# Altium PCB ECE453_Custom.PcbDoc (part 1 of 2) (continued)
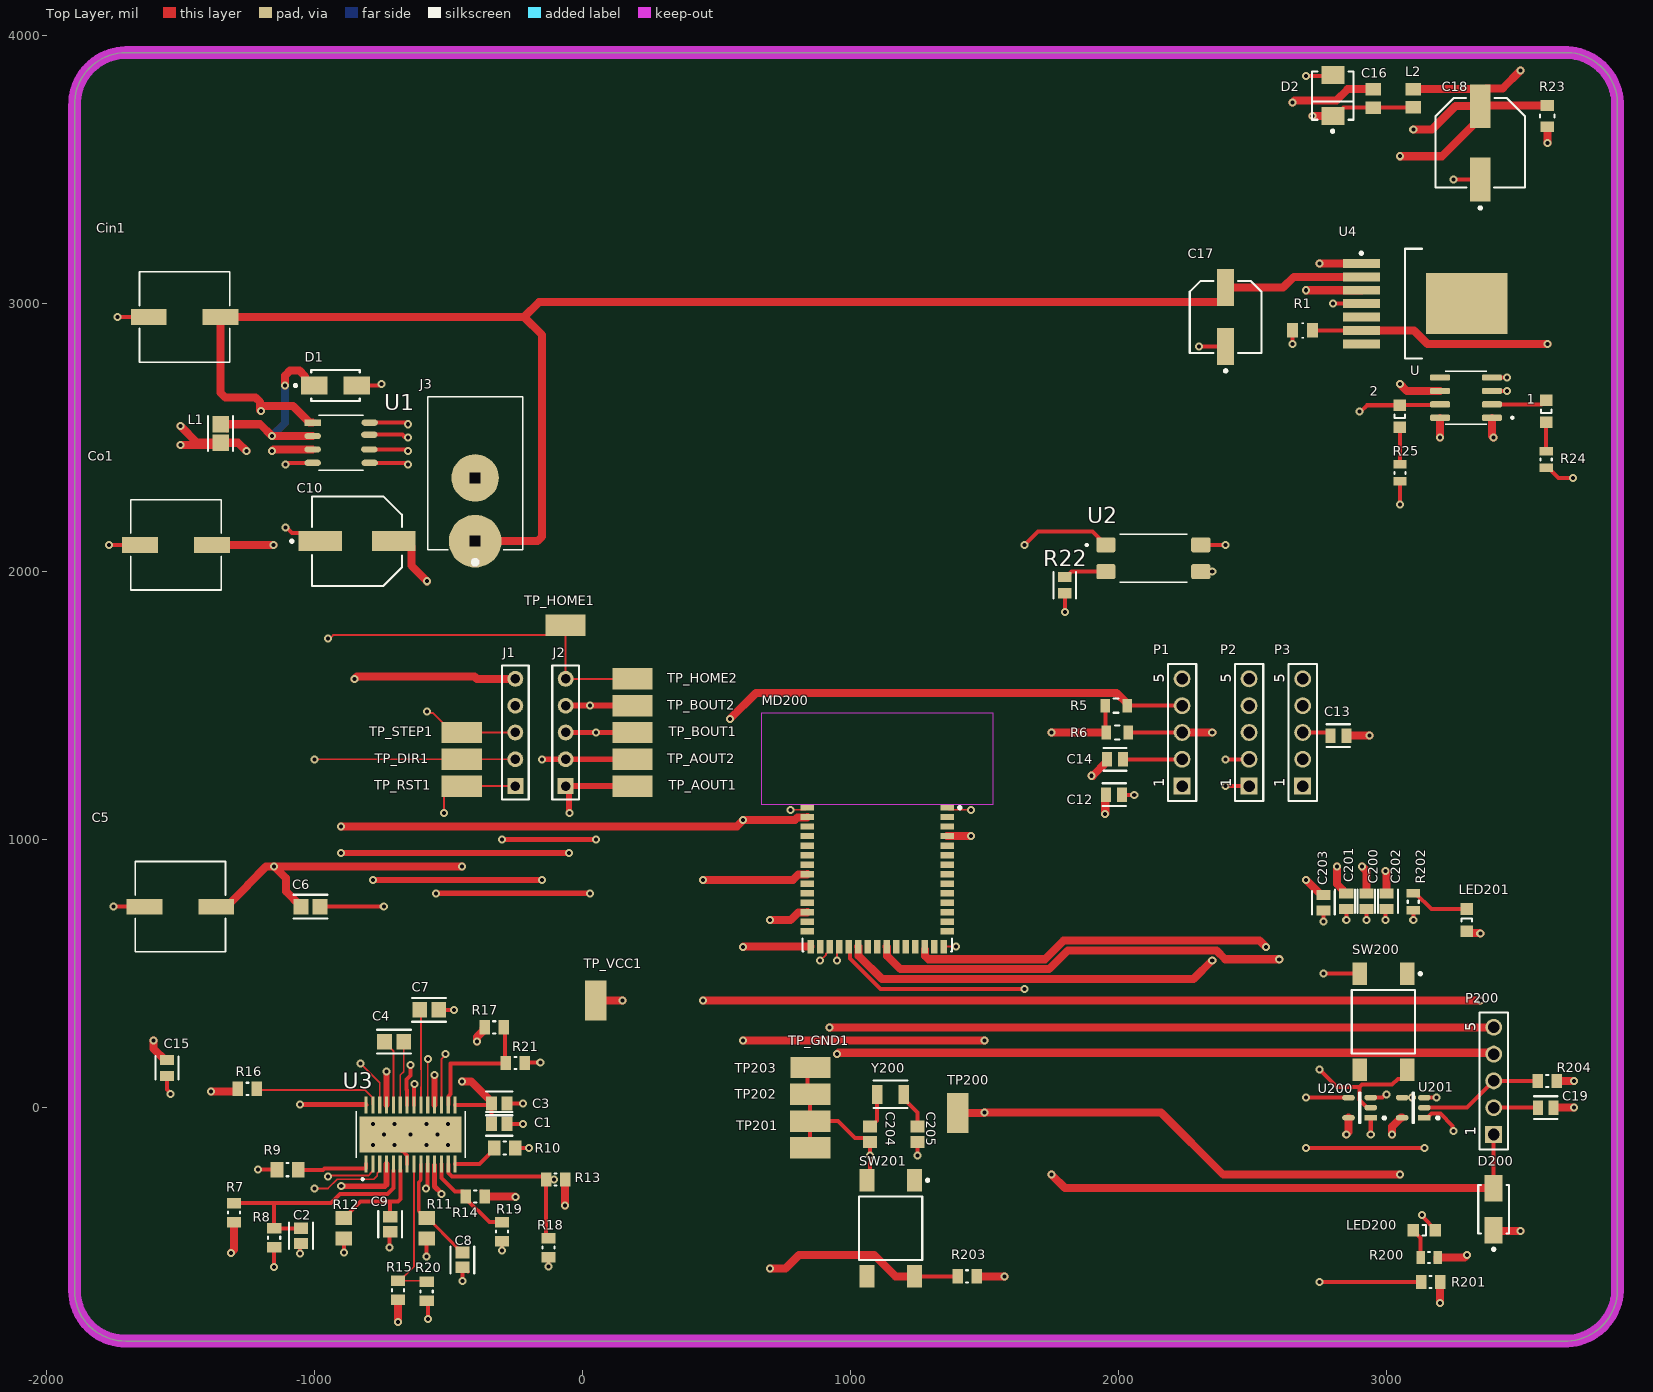
[diagram p0: Top Layer view]
## Design rules (kind name [scope] priority, off if disabled: settings)
BoardOutlineClearance [All] p1: gap=50 ignorepadtopadclearanceinfootprint=FALSE
Clearance [All] p1: gap=7 ignorepadtopadclearanceinfootprint=TRUE
ComponentClearance [InComponent('U3')] p1: gap=0 collisioncheckmode=3 verticalgap=10 showdistances=FALSE
Height [All] p1: minheight=0 maxheight=866.14 prefheight=500
HoleSize [All] p1: absolutevalues=TRUE maxlimit=250 minlimit=10 maxpercent=80.000 minpercent=20.000
MinimumAnnularRing [All] p1: minimumring=3
MinimumSolderMaskSliver [All] p1: minsoldermaskwidth=1
NetAntennae NetAntennae_5.0V [InNet('5.0V')] p1: netantennaetolerance=0
NetAntennae NetAntennae_3.3V [InNet('3.3V')] p2: netantennaetolerance=0
PolygonConnect [IsNamedPolygon('5.0V_L01_P019') or IsNamedPolygon('3.3V_L01_P020') vs IsVia] p1: connectstyle=Relief reliefconductorwidth=10 reliefentries=4 polygonreliefangle="90 Angle" airgapwidth=10
PolygonConnect PolygonConnect_2 [All vs IsVia] p2: connectstyle=Relief reliefconductorwidth=15 reliefentries=4 polygonreliefangle="90 Angle" airgapwidth=10
PolygonConnect PolygonConnect_1 [All] p3: connectstyle=Relief reliefconductorwidth=10 reliefentries=4 polygonreliefangle="90 Angle" airgapwidth=10
RoutingVias [All] p1: holewidth=15 width=30 viastyle="Through Hole" minholewidth=15 minwidth=30 maxholewidth=28 maxwidth=50
SilkToSilkClearance [All] p1: silktosilkclearance=1
SilkToSolderMaskClearance [IsPad] p1: minsilkscreentomaskgap=1 clearancetoexposedcopper=TRUE
SolderMaskExpansion [All] p1: expansion=4 istentingtop=FALSE
UnRoutedNet [All] p1: checkbadconnections=TRUE
Width [All] p1: maxlimit=30 minlimit=7 preferedwidth=15
22 further rules are at their usual default settings.

## Components (designator, comment, footprint, x,y, rotation, side; value= is the part's Value field where it differs from the comment)
1 "150080GS75000" 0805_A 3595.87,2598.13 r90 top
2 "150080GS75000" 0805_A 3050,2579.53 r90 top
C1 "CL21B104KACNNNC" FP-CL21-IPC_C -310.59,-60.24 r0 top
C2 "CL21B104KACNNNC" FP-CL21-IPC_C -1050,-478.57 r270 top
C3 "CL21B104KACNNNC" FP-CL21-IPC_C -310.59,16 r0 top
C4 "UMK212B7224KG-T" FP-0805-L_2_0_0_1-W_1_25-IPC_A -702.21,246.21 r180 top
C5 "PCV1D101MCL2GS" CAP_PC_8X7_NCH -1500,750 r180 top
C6 "UMK212B7224KG-T" FP-0805-L_2_0_0_1-W_1_25-IPC_A -1014.48,750 r0 top
C7 "UMK212B7224KG-T" FP-0805-L_2_0_0_1-W_1_25-IPC_A -571.43,365.16 r0 top
C8 "08055C102KAT2A" FP-0805-L_2_01_0_2-W_1_25-IPC_C -447.62,-568.01 r270 top
C9 "08055C102KAT2A" FP-0805-L_2_01_0_2-W_1_25-IPC_C -717.23,-434.93 r270 top
C10 "16SVPF270M" FP-OS-CON-SMT-E7-MFG -841,2113.78 r0 top
C12 "C0805C106K8PACTU" FP-C0805C-DG-MFG 1983.97,1168.05 r0 top value=10uF
C13 "C0805C106K8PACTU" FP-C0805C-DG-MFG 2820.5,1387.89 r180 top value=10uF
C14 "C0805C106K8PACTU" FP-C0805C-DG-MFG 1987.44,1300 r0 top value=10uF
C15 "C0805C106K8PACTU" FP-C0805C-DG-MFG -1550,148.34 r270 top value=10uF
C16 "C0805C103F5GECAUTO" CAPC2012X100N 2950,3765.55 r270 top value=10nF
C17 "35SVF22M" FP-OS-CON-SMT-C6-MFG 2400,2950 r90 top value=22uF
C18 "16SVPC120M" FP-OS-CON-SMT-E7-MFG 3350,3600 r90 top
C19 "C0805C106K8PACTU" FP-C0805C-DG-MFG 3594.09,0 r180 top value=10uF
C200 "C0805C106K8PACTU" FP-C0805C-DG-MFG 2925.38,770.47 r270 top value=10uF
C201 "C0805C106K8PACTU" FP-C0805C-DG-MFG 2850,770.47 r270 top value=10uF
C202 "C0805C104K5RACTU" FP-C0805C-DN-MFG 3000,770.47 r270 top value="0.10 μF"
C203 "C0805C104K5RACTU" FP-C0805C-DN-MFG 2764.62,764.5 r270 top value="0.10 μF"
C204 "08055A6R0CAT2A" CAPC2013X94X50LL20T25 1072.83,-99.02 r90 top
C205 "08055A6R0CAT2A" CAPC2013X94X50LL20T25 1250,-99.02 r90 top
Cin1 "PCV1D101MCL2GS" CAP_PC_8X7_NCH -1484,2950 r180 top
Co1 "PCV1D101MCL2GS" CAP_PC_8X7_NCH -1516,2100 r180 top
D1 "B140-13-F" FP-SMA-MFG -921.26,2694.26 r0 top
D2 "VS-10BQ015-M3/5BT" FP-95401-MFG 2800,3776.25 r90 top value=390pF
D200 "B140-13-F" FP-SMA-MFG 3400,-378.74 r90 top
J1 "CONN_HEADER_MALE_1x5" HDR1X5 -250,1200 r90 top
J2 "CONN_HEADER_MALE_1x5" HDR1X5 -62.56,1200 r90 top
J3 "PJ-037A" CUI_PJ-037A -400,2113.78 r90 top
L1 "LQM21DH470M70L" FP-LQM21DH_70-IPC_A -1350,2515.52 r270 top value=47uH
L2 "CV201210-8R2K" INDC2012X145N 3100,3766.14 r90 top value=8.2uH
LED200 "150080RS75000" 0805_A 3141.34,-457.48 r180 top
LED201 "150080GS75000" 0805_A 3300,700 r270 top
MD200 "CYBLE-416045-02" FP-CYBLE-416045-02-MFG 1100,950 r0 top
P1 "61300511121" 61300511121 2237.44,1400 r90 top
P2 "61300511121" 61300511121 2487.44,1400 r90 top
P3 "61300511121" 61300511121 2687.44,1400 r90 top
P200 "61300511121" 61300511121 3400,100 r90 top
R1 "ERJ-PB6B1021V" RESC2012X70N 2687.01,2900 r180 top
R5 "RMCF0805JT4K70" FP-RMCF0805-MFG 1991.34,1500 r180 top
R6 "RMCF0805JT4K70" FP-RMCF0805-MFG 1995.79,1400 r180 top
R7 "RC0805FR-0710KL" RESC2013X60X35NL10T20 -1300,-391.34 r270 top
R8 "RC0805FR-0710KL" RESC2013X60X35NL10T20 -1150,-485.43 r90 top
R9 "PT0805FR-7W0R1L" RESC2013X65X35ML10T20 -1100,-230.99 r0 top
R10 "PT0805FR-7W0R1L" RESC2013X65X35ML10T20 -289.37,-150 r180 top
R11 "ERJ-6GEYJ473V" RESC2013X70X40ML20T20 -581.14,-450 r90 top
R12 "ERJ-6GEYJ473V" RESC2013X70X40ML20T20 -890.03,-450 r90 top
R13 "RC0805FR-0710KL" RESC2013X60X35NL10T20 -100,-268.18 r0 top
R14 "RC0805FR-0710KL" RESC2013X60X35NL10T20 -400,-331.64 r0 top
R15 "RC0805FR-0710KL" RESC2013X60X35NL10T20 -688.41,-681.23 r270 top
R16 "RC0805FR-0710KL" RESC2013X60X35NL10T20 -1250,70.63 r180 top
R17 "RC0805FR-0710KL" RESC2013X60X35NL10T20 -328.74,300 r180 top
R18 "RC0805FR-0710KL" RESC2013X60X35NL10T20 -126.35,-522.04 r90 top
R19 "RC0805FR-0710KL" RESC2013X60X35NL10T20 -300,-462.42 r90 top
R20 "RC0805FR-0710KL" RESC2013X60X35NL10T20 -581.14,-685.43 r90 top
R21 "RC0805FR-0710KL" RESC2013X60X35NL10T20 -250,166.96 r180 top
R22 "RMCF0805FT402R" FP-RMCF0805-IPC_C 1800,1950 r270 top
R23 "RNCP0805FTD2K80" FP-RNCP0805-MFG 3600,3700 r270 top
R24 "RC0805FR-07330RL" RESC2013X60X35LL10T20 3595.87,2418.5 r90 top
R25 "RC0805FR-07330RL" RESC2013X60X35LL10T20 3050,2368.5 r90 top
R200 "RC0805FR-07330RL" RESC2013X60X35LL10T20 3159.06,-558.8 r0 top
R201 "RC0805FR-0710KL" RESC2013X60X35NL10T20 3164.57,-650 r0 top
R202 "RC0805FR-07330RL" RESC2013X60X35LL10T20 3100,768.5 r90 top
R203 "RC0805FR-0710KL" RESC2013X60X35NL10T20 1435.43,-629.13 r0 top
R204 "RC0805FR-0710KL" RESC2013X60X35NL10T20 3600,100 r0 top
SW200 "FSM4JSMA" TECO-FSM4JSMA_V 2988.58,320.87 r0 top
SW201 "FSM4JSMA" TECO-FSM4JSMA_V 1150,-450 r0 top
TP200 "5019" KSTN-5019_V 1400,-20.47 r90 top
TP201 "5019" KSTN-5019_V 850,-150 r180 top
TP202 "5019" KSTN-5019_V 850,-50 r180 top
TP203 "5019" KSTN-5019_V 850,50 r180 top
TP_AOUT1 "5019" TP380X203 187.44,1200 r180 top
TP_AOUT2 "5019" TP380X203 187.44,1300 r180 top
TP_BOUT1 "5019" TP380X203 187.44,1400 r180 top
TP_BOUT2 "5019" TP380X203 187.44,1500 r180 top
TP_DIR1 "5019" TP380X203 -450,1300 r180 top
TP_GND1 "5019" TP380X203 851.57,150 r180 top
TP_HOME1 "5019" TP380X203 -62.56,1800 r180 top
TP_HOME2 "5019" TP380X203 187.44,1600 r180 top
TP_RST1 "5019" TP380X203 -450,1200 r180 top
TP_STEP1 "5019" TP380X203 -450,1400 r180 top
TP_VCC1 "5019" TP380X203 50,400 r90 top
U "DS1834S+" SOIC127P600X175-8N 3296.65,2649.17 r180 top
U1 "AP1509-33SG-13" SOP-8L_DIO -900,2481.03 r0 top
U2 "TLP241A(TP1,F" SOIC254P1000X425-4N 2130,2050 r0 top
U3 "DRV8811PWP" IC_TPS61196PWPRQ1 -641.14,-100 r90 top
U4 "LM22673TJE-5.0/NOPB" TJ7A_M 3144.49,3000 r0 top
U200 "SN74AHC1G08DBV3" FP-DBV0005A-IPC_C 2900,0 r180 top
U201 "SN74AHC1G08DBV3" FP-DBV0005A-IPC_C 3100,0 r180 top
Y200 "32.768KHZ" FP-ABS07-120-MFG 1149.21,50 r0 top

## Footprints (in the part's own frame and the unit in brackets; to place one, negate y for a bottom-side part, rotate by r counter-clockwise, add the part's x,y. Pads: shape width x height; smd on the part's side, far side on the other; paste and mask are expansions set on the pad)
0805_A [mm] "Chip LED, 2-Leads, Body 2.0x1.3mm, IPC Medium Density"
  rect 1.1x1.2 smd: 1(-1.05,0) 2(1.05,0)
  silkscreen extent -0.15,-0.5 0.15,0.5, body extent -1,-0.62 1,0.63, height 0.68
61300511121 [mm] "Pin Header, pitch 2.54 mm, THT, Vertical, single row, 5p"
  rect 1.6x1.6 hole 1.1: 1(-5.08,0)
  round 1.6 hole 1.1: 2(-2.54,0) 3(0,0) 4(2.54,0) 5(5.08,0)
  silkscreen extent -6.5,-1.35 6.5,1.35, body extent -6.35,-1.27 6.35,1.27, height 8.57
CAP_PC_8X7_NCH [mil]
  rect 134x59 smd paste+0 mask+0: 1(-134,0) 2(134,0)
  silkscreen extent -169,-169 169,169, body extent -181,-164 181,164, height 278
CAPC2012X100N [mm]
  rect 1.16x1.47 smd: 1(-0.875,0) 2(0.875,0)
CAPC2013X94X50LL20T25 [mm] "Chip Capacitor, 2-Leads, Body 2.01x1.25mm, IPC High Density"
  rect 1.15x1.35 smd: 1(-0.725,0) 2(0.725,0)
  body extent -1.1,-0.72 1.1,0.72, height 0.94
CUI_PJ-037A [mm]
  round 5 hole 1 square: 1(0,0)
  round 4.5 hole 1 square: 2(6,0)
  silkscreen extent -2.2,-4.5 13.7,4.5
FP-0805-L_2_0_0_1-W_1_25-IPC_A [mil]
  rect 55.42x57.56 smd paste+0 mask+0: 1(-35.52,0) 2(35.52,0)
  silkscreen extent -63,-45 63,45, body extent -83,-48 83,48, height 10
FP-0805-L_2_01_0_2-W_1_25-IPC_C [mil]
  rect 43.49x53.39 smd paste+0 mask+0: 1(-27.79,0) 2(27.79,0)
  silkscreen extent -50,-44 50,44, body extent -53,-32 53,32, height 10
FP-95401-MFG [mil]
  rect 67.5x86 smd paste+0 mask+0: 1(-76.25,0) 2(76.25,0)
  silkscreen extent -138,-78 90,78, body extent -114,-81 114,81, height 10
FP-ABS07-120-MFG [mm]
  rect 1x1.8 smd paste+0 mask+0: 1(-1.25,0) 2(1.25,0)
  silkscreen extent -1.6,-1.3 1.6,1.3, body extent -1.85,-1 1.85,1, height 0.25
FP-C0805C-DG-MFG [mm]
  rect 0.95x1.35 smd paste+0 mask+0: 1(-0.75,0) 2(0.75,0)
  silkscreen extent -1.11,-1.08 1.1,1.07, body extent -1.4,-0.85 1.4,0.85, height 0.25
FP-C0805C-DN-MFG [mm]
  rect 0.95x1.35 smd paste+0 mask+0: 1(-0.75,0) 2(0.75,0)
  silkscreen extent -1.1,-1.07 1.1,1.07, body extent -1.4,-0.85 1.4,0.85, height 0.25
FP-CL21-IPC_C [mil]
  rect 41.52x53.39 smd paste+0 mask+0: 1(-28.57,0) 2(28.57,0)
  silkscreen extent -49,-44 49,44, body extent -53,-32 53,32, height 10
FP-CYBLE-416045-02-MFG [mm]
  rect 1.27x0.61 smd paste+0 mask+0: 1(6.619,4.32) 2(6.619,3.42) 3(6.619,2.52) 4(6.619,1.62) 5(6.619,0.71) 6(6.619,-0.19) 7(6.619,-1.09) 8(6.619,-1.99) 9(6.619,-2.89) 10(6.619,-3.79) 11(6.619,-4.7) 12(6.619,-5.6) 13(6.619,-6.5) 14(6.619,-7.4) 30(-6.619,-7.4) 31(-6.619,-6.5) 32(-6.619,-5.6) 33(-6.619,-4.7) 34(-6.619,-3.79) 35(-6.619,-2.89) 36(-6.619,-1.99) 37(-6.619,-1.09) 38(-6.619,-0.19) 39(-6.619,0.71) 40(-6.619,1.62) 41(-6.619,2.52) 42(-6.619,3.42) 43(-6.619,4.32)
  rect 0.61x1.27 smd paste+0 mask+0: 15(6.31,-8.869) 16(5.41,-8.869) 17(4.51,-8.869) 18(3.61,-8.869) 19(2.71,-8.869) 20(1.8,-8.869) 21(0.9,-8.869) 22(0,-8.869) 23(-0.9,-8.869) 24(-1.8,-8.869) 25(-2.7,-8.869) 26(-3.61,-8.869) 27(-4.51,-8.869) 28(-5.41,-8.869) 29(-6.31,-8.869)
  Keep-Out Layer region: -11,4.63 11,4.63 11,13.25 -11,13.25
  Keep-Out Layer region: -11,4.63 11,4.63 11,13.25 -11,13.25
  silkscreen extent -7.07,-9.33 7.95,4.43, body extent -11,-9.6 11,13.25, height 0.25
FP-DBV0005A-IPC_C [mm]
  rect 1.205x0.532 smd paste+0 mask+0: 1(-1.05,0.95)
  rrect100% 1.205x0.532 smd paste+0 mask+0: 2(-1.05,0) 3(-1.05,-0.95) 4(1.05,-0.95) 5(1.05,0.95)
  silkscreen extent -2.45,-1.45 0.05,1.45, body extent -1.75,-1.55 1.75,1.55, height 0.25
FP-LQM21DH_70-IPC_A [mil]
  rect 61.2x61.27 smd paste+0 mask+0: 1(-34.48,0) 2(34.48,0)
  silkscreen extent -65,-46 65,46, body extent -85,-50 85,50, height 10
FP-OS-CON-SMT-C6-MFG [mm]
  rect 3.5x1.6 smd paste+0 mask+0: 1(-2.8,0) 2(2.8,0)
  silkscreen extent -5.22,-3.4 3.4,3.4, body extent -4.8,-3.65 4.8,3.65, height 0.25
FP-OS-CON-SMT-E7-MFG [mm]
  rect 4.15x1.9 smd paste+0 mask+0: 1(-3.475,0) 2(3.475,0)
  silkscreen extent -6.3,-4.25 4.25,4.25, body extent -5.8,-4.5 5.8,4.5, height 0.25
FP-RMCF0805-IPC_C [mil]
  rect 37.58x49.69 smd paste+0 mask+0: 1(-30.54,0) 2(30.54,0)
  silkscreen extent -49,-42 49,42, body extent -53,-31 53,31, height 10
FP-RMCF0805-MFG [mm]
  rect 0.9x1.3 smd paste+0 mask+0: 1(-1.05,0) 2(1.05,0)
  silkscreen extent -0.23,-0.67 0.23,0.67, body extent -1.6,-0.77 1.6,0.77, height 0.25
FP-RNCP0805-MFG [mm]
  rect 1x1.3 smd paste+0 mask+0: 1(-1,0) 2(1,0)
  silkscreen extent -0.13,-0.7 0.13,0.7, body extent -1.6,-0.8 1.6,0.8, height 0.25
FP-SMA-MFG [mm]
  rect 2.5x1.7 smd paste+0 mask+0: 1(-2,0) 2(2,0)
  silkscreen extent -3.92,-1.46 2.3,1.46, body extent -3.35,-1.56 3.35,1.56, height 0.25
HDR1X5 [mm] "Connector; Header; 5 Position"
  rect 1.5x1.5 hole 0.9: 1(0,0)
  round 1.5 hole 0.9: 2(2.54,0) 3(5.08,0) 4(7.62,0) 5(10.16,0)
  silkscreen extent -1.27,-1.27 11.43,1.27
IC_TPS61196PWPRQ1 [mm]
  rect 1.6x0.3 smd paste-2 mask+0: 1(-2.8,4.225) 2(-2.8,3.575) 3(-2.8,2.925) 4(-2.8,2.275) 5(-2.8,1.625) 6(-2.8,0.975) 7(-2.8,0.325) 8(-2.8,-0.325) 9(-2.8,-0.975) 10(-2.8,-1.625) 11(-2.8,-2.275) 12(-2.8,-2.925) 13(-2.8,-3.575) 14(-2.8,-4.225) 15(2.8,-4.225) 16(2.8,-3.575) 17(2.8,-2.925) 18(2.8,-2.275) 19(2.8,-1.625) 20(2.8,-0.975) 21(2.8,-0.325) 22(2.8,0.325) 23(2.8,0.975) 24(2.8,1.625) 25(2.8,2.275) 26(2.8,2.925) 27(2.8,3.575) 28(2.8,4.225)
  round 0.762 hole 0.381 mask+0: 29(-1.016,1.524) 29(-1.016,3.556) 29(-1.016,-3.556) 29(-1.016,-1.524) 29(0,2.54) 29(0,0) 29(0,-2.54) 29(1.016,1.524) 29(1.016,3.556) 29(1.016,-3.556) 29(1.016,-1.524)
  rect 3.4x9.7 smd paste-6 mask+0: 29(0,0)
  silkscreen extent -4.34,-5.17 2.2,5.17, body extent -3.2,-4.85 3.2,4.85, height 1.2
INDC2012X145N [mm]
  rect 1.2x1.47 smd: 1(-0.86,0) 2(0.86,0)
KSTN-5019_V [mm] "Test Point, 1-Leads, Body 3.81x2.03mm"
  rect 3.8x2.03 smd: 1(0,0)
  body extent -1.9,-1.01 1.9,1.02, height 2.29
RESC2012X70N [mm]
  rect 1.04x1.38 smd: 1(-0.94,0) 2(0.94,0)
  silkscreen extent -0.1,-0.68 0.1,0.68
RESC2013X60X35LL10T20 [mm] "Chip Resistor, 2-Leads, Body 2.1x1.35mm, IPC High Density"
  rect 0.8x1.25 smd: 1(-0.8,0) 2(0.8,0)
  silkscreen extent -0.1,-0.53 0.1,0.53, body extent -1.05,-0.67 1.05,0.68, height 0.6
RESC2013X60X35NL10T20 [mm] "Chip Resistor, 2-Leads, Body 2.1x1.35mm, IPC Medium Density"
  rect 1x1.35 smd: 1(-0.9,0) 2(0.9,0)
  silkscreen extent -0.1,-0.58 0.1,0.58, body extent -1.05,-0.68 1.05,0.67, height 0.6
RESC2013X65X35ML10T20 [mm] "Chip Resistor, 2-Leads, Body 2.00x1.25mm, IPC Low Density"
  rect 1.2x1.45 smd: 1(-1,0) 2(1,0)
  silkscreen extent -0.1,-0.63 0.1,0.63, body extent -1.05,-0.67 1.05,0.67, height 0.65
RESC2013X70X40ML20T20 [mm] "Chip Resistor, 2-Leads, Body 2.00x1.25mm, IPC Low Density"
  rect 1.35x1.55 smd: 1(-0.975,0) 2(0.975,0)
  body extent -1.1,-0.72 1.1,0.72, height 0.7
SOIC127P600X175-8N [mm]
  rrect50% 1.9x0.6 smd: 1(-2.455,1.905) 2(-2.455,0.635) 3(-2.455,-0.635) 4(-2.455,-1.905) 5(2.455,-1.905) 6(2.455,-0.635) 7(2.455,0.635) 8(2.455,1.905)
  silkscreen extent -4.49,-2.52 1.95,2.52
SOIC254P1000X425-4N [mm]
  rrect25% 1.81x1.43 smd: 1(-4.5,1.27) 2(-4.5,-1.27) 3(4.5,-1.27) 4(4.5,1.27)
  silkscreen extent -6.41,-2.29 3.2,2.29
SOP-8L_DIO [mm]
  rect 1.55x0.6 smd paste+0 mask+0: 1(-2.7,1.905)
  oval 1.55x0.6 smd paste+0 mask+0: 2(-2.7,0.635) 3(-2.7,-0.635) 4(-2.7,-1.905) 5(2.7,-1.905) 6(2.667,-0.635) 7(2.667,0.762) 8(2.7,1.905)
  silkscreen extent -2.1,-2.6 2.1,2.6, body extent -3.13,-2.47 3.13,2.47, height 1.75
TECO-FSM4JSMA_V [mm] "SMD, 4-Leads, Body 6x6mm, Pitch 4.5mm"
  rect 1.4x2.1 smd: 1(2.25,4.55) 2(2.25,-4.55) 3(-2.25,4.55) 4(-2.25,-4.55)
  silkscreen extent -3,-3 3.63,4.67, body extent -3,-5 3,5, height 5.08
TJ7A_M [mm] "D2-PAK, 8-Leads, Body 9.9x10.2mm, Pitch 1.27mm, Lead Span 14mm, IPC Low Density"
  rect 3.5x0.85 smd: 1(-6.05,3.81) 2(-6.05,2.54) 3(-6.05,1.27) 4(-6.05,0) 5(-6.05,-1.27) 6(-6.05,-2.54) 7(-6.05,-3.81)
  rect 7.7x5.8 smd: 8(3.95,0)
  silkscreen extent -6.17,-5.2 -0.3,5.2, body extent -1.9,-5.2 8.2,5.2, height 2.1
TP380X203 [mm]
  rect 3.8x2.03 smd: 1(0,0)

## Part data
1 2 LED201: library part CMP-1426-00007-1, "SMD mono-color Chip LED, WL-SMCW, Green", Case Code (Imperial)=0805, Case Code (Metric)=2012, Color=Green, Forward Current=30mA, Forward Voltage=3.2V, Manufacturer="Wuerth Elektronik", Manufacturer 1="Wurth Electronics", Max Operating Temperature=85°C, Min Operating Temperature=-40°C, Package Quantity=4000, Supplier Part Number 1=732-4983-1-ND, Test Current=20mA, Case/Package=0805, Category=LEDs, ComponentLink1Description="Manufacturer URL", ComponentLink1URL=http://www.we-online.com, ComponentLink2Description=Datasheet, ComponentLink2URL=http://katalog.we-online.com/led/datasheet/150080GS75000.pdf, ComponentLink3Description=https://datasheet.ciiva.com/29563/150080gs75000-29563008.pdf?src-supplier=Digi-Key, ComponentLink3URL=https://datasheet.ciiva.com/29563/150080gs75000-29563008.pdf?src-supplier=Digi-Key, ComponentLink4Description=https://datasheet.ciiva.com/29279/759434-da-01-en-chipled-0805-w-kl-gruen-150080gs75000-29279039.pdf?src-supplier=Conrad, ComponentLink4URL=https://datasheet.ciiva.com/29279/759434-da-01-en-chipled-0805-w-kl-gruen-150080gs75000-29279039.pdf?src-supplier=Conrad, Dominant Wavelength=520nm, Height=0.7mm, Length=2mm, Lens Style=Clear,Rectangular, Luminous Intensity=450mcd, Manufacturer Part Number 1=150080GS75000, Mount="Surface Mount", PackageReference=0805_A, Packaging="Cut Tape", PartNumber=150080GS75000, Pricing 1="1=0.19000, 50=0.17600, 100=0.15100, 500=0.13100 (USD)", REACH SVHC=Unknown, RoHS=Yes, RoHS Compliant=Yes, Stock 1=95801, Supplier 1=Digi-Key, Viewing Angle=140°, Wavelength=520nm, Width=1.25mm
C1 C2 C3: library part CMP-13271-002854-1, "CL21 Series 0805 100nF 25V ±10% Tolerance X7R Multilayer Ceramic Chip Capacitor", Capacitance=100nF, Case Code (Imperial)=0805, Case Code (Metric)=2012, Dielectric=X7R, Manufacturer=Samsung, Max Operating Temperature=125°C, Min Operating Temperature=-55°C, Package Quantity=1, Supplier Part Number 1=1276-1099-1-ND, Tolerance=10%, Voltage=25V, Case/Package=0805, Category="Ceramic Capacitors", ComponentLink1Description=https://datasheet.ciiva.com/25801/cl21b104kacnnnc-25801824.pdf?src-supplier=Digi-Key, ComponentLink1URL=https://datasheet.ciiva.com/25801/cl21b104kacnnnc-25801824.pdf?src-supplier=Digi-Key, ComponentLink2Description=https://datasheet.ciiva.com/15216/getdatasheetpartid-355204-15216236.pdf?src-supplier=Verical, ComponentLink2URL=https://datasheet.ciiva.com/15216/getdatasheetpartid-355204-15216236.pdf?src-supplier=Verical, Construction=Flat, Contact Plating=Tin, Depth=1.25mm, Height=0.85mm, Length=2mm, Manufacturer Part Number=CL21B104KACNNNC, Mount="Surface Mount", Packaging="Tape and Reel", Pricing 1="1=0.10000, 10=0.03700, 50=0.02020, 100=0.01650, 500=0.01178, 1000=0.00925 (USD)", Radiation Hardening=No, RoHS=Yes, RoHS Compliant=Yes, Series=CL, Stock 1=1473590, Supplier 1=Digi-Key, Thickness=0.037inch, Voltage Rating=25V, Width=0.049inch
C4 C6 C7: library part CMP-14477-005057-2, "Multilayer Ceramic Capacitor 0.22 uF 50V X7R 10% SMD 0805 T/R", Capacitance=220nF, Case Code (Imperial)=0805, Case Code (Metric)=2012, Dielectric=X7R, Manufacturer="Taiyo Yuden", Max Operating Temperature=125°C, Min Operating Temperature=-55°C, Package Quantity=1, Supplier Part Number 1=587-1287-1-ND, Tolerance=10%, Voltage=50V, Case/Package=0805, Category="Ceramic Capacitors", ComponentLink1Description=https://datasheet.ciiva.com/133/umk212b7224kg-t-ss-133747.pdf?src-supplier=Digi-Key, ComponentLink1URL=https://datasheet.ciiva.com/133/umk212b7224kg-t-ss-133747.pdf?src-supplier=Digi-Key, ComponentLink2Description=https://datasheet.ciiva.com/30106/209umk212b7224kg-t-30106923.pdf?src-supplier=Onlinecomponents.com, ComponentLink2URL=https://datasheet.ciiva.com/30106/209umk212b7224kg-t-30106923.pdf?src-supplier=Onlinecomponents.com, ComponentLink3Description=https://datasheet.ciiva.com/15922/1134umk212b7224kg-t-15922643.pdf?src-supplier=Onlinecomponents.com, ComponentLink3URL=https://datasheet.ciiva.com/15922/1134umk212b7224kg-t-15922643.pdf?src-supplier=Onlinecomponents.com, ComponentLink4Description=https://datasheet.ciiva.com/15165/getdatasheetpartid-63436-15165368.pdf?src-supplier=Verical, ComponentLink4URL=https://datasheet.ciiva.com/15165/getdatasheetpartid-63436-15165368.pdf?src-supplier=Verical, ComponentLink5Description=https://datasheet.ciiva.com/30164/55umk212b7224kg-t-30164219.pdf?src-supplier=Onlinecomponents.com, ComponentLink5URL=https://datasheet.ciiva.com/30164/55umk212b7224kg-t-30164219.pdf?src-supplier=Onlinecomponents.com, ComponentLink6Description=https://datasheet.ciiva.com/28645/746258-28645309.pdf?src-supplier=Element14, ComponentLink6URL=https://datasheet.ciiva.com/28645/746258-28645309.pdf?src-supplier=Element14, Construction=Flat, Contact Plating=Nickel, Depth=1.25mm, Halogen Free="Halogen Free", Height=1.25mm, Length=2mm, Manufacturer Part Number=UMK212B7224KG-T, Mount="Surface Mount", Packaging="Tape and Reel", Pricing 1="1=0.13000, 10=0.09300, 50=0.05300, 100=0.04390, 500=0.03080, 1000=0.02550 (USD)", Radiation Hardening=No, REACH SVHC=Unknown, RoHS=Yes, RoHS Compliant=Yes, Series=M, Stock 1=1309484, Supplier 1=Digi-Key, Termination=SMD/SMT, Thickness=0.053inch, Voltage Rating=50V, Voltage Rating (DC)=50V, Width=0.049inch
C5 Cin1: "Cap Aluminum Polymer 100uF 20VDC 20% (8 X 7mm) SMD 0.042 Ohm 1400mA 3000h 105C Automotive T/R", Capacitance=100uF, Case/Package=Radial, ESR (Equivalent Series Resistance)=42mR, Leakage Current=400uA, Manufacturer=Nichicon, Max Operating Temperature=105°C, Min Operating Temperature=-55°C, Package Quantity=1, Ripple Current=1.4A, Supplier Part Number 1=493-4532-1-ND, Tolerance=20%, Voltage=20V, Category="Polymer Capacitors", ComponentLink1Description=https://datasheet.ciiva.com/115/e-cv-115994.pdf?src-supplier=Digi-Key, ComponentLink1URL=https://datasheet.ciiva.com/115/e-cv-115994.pdf?src-supplier=Digi-Key, ComponentLink2Description=https://datasheet.ciiva.com/115/e-cv-115995.pdf?src-supplier=Digi-Key, ComponentLink2URL=https://datasheet.ciiva.com/115/e-cv-115995.pdf?src-supplier=Digi-Key, ComponentLink3Description=https://datasheet.ciiva.com/115/e-cv-115996.pdf?src-supplier=Digi-Key, ComponentLink3URL=https://datasheet.ciiva.com/115/e-cv-115996.pdf?src-supplier=Digi-Key, Copyright="Copyright (C) 2022 Ultra Librarian. All rights reserved.", Diameter=8mm, Digi-Key_Part_Number_1=493-4532-1-ND, Digi-Key_Part_Number_2=493-4532-2-ND, Digi-Key_Part_Number_3=493-4532-6-ND, Dissipation Factor=0.12%, Height=7mm, Height - Seated (Max)=0.276inch, Lead Pitch=3.2mm, Length=7mm, Life (Hours)=3000Hour, Manufacturer Part Number=PCV1D101MCL2GS, Manufacturer_Part_Number=PCV1D101MCL2GS, Mfr_Name=Nichicon, Mount="Surface Mount,PCB", Packaging="Tape and Reel", Polarity=Polar, Pricing 1="1=2.46000, 10=1.99300, 50=1.73900, 100=1.52170, 500=1.15938 (USD)", RefDes=RefDes, RoHS=Yes, RoHS Compliant=Yes, Series=CV, Stock 1=12604, Supplier 1=Digi-Key, Termination=SMD/SMT, Type=DEV, Voltage Rating=20V, Voltage Rating (DC)=20V
C8 C9: library part CMP-1036-02979-3, "General Purpose Ceramic Capacitor, 0805, 1nF, 10%, X7R, 0.15, 50V", Capacitance=1nF, Case Code (Imperial)=0805, Case Code (Metric)=2012, Dielectric=X7R, Dielectric Material=Ceramic, Insulation Resistance=100GR, Manufacturer="Kyocera AVX", Max Operating Temperature=125°C, Min Operating Temperature=-55°C, Package Quantity=1, Supplier Part Number 1=478-1371-1-ND, Tolerance=10%, Voltage=50V, Case/Package=0805, Category="Ceramic Capacitors", ComponentLink1Description=https://datasheet.ciiva.com/19476/2009543-19476290.pdf?src-supplier=Jameco, ComponentLink1URL=https://datasheet.ciiva.com/19476/2009543-19476290.pdf?src-supplier=Jameco, ComponentLink2Description=https://datasheet.ciiva.com/11786/0900766b802d4698-11786944.pdf?src-supplier=RSComponents, ComponentLink2URL=https://datasheet.ciiva.com/11786/0900766b802d4698-11786944.pdf?src-supplier=RSComponents, ComponentLink3Description=https://datasheet.ciiva.com/150/cx7r-150264.pdf?src-supplier=Digi-Key, ComponentLink3URL=https://datasheet.ciiva.com/150/cx7r-150264.pdf?src-supplier=Digi-Key, ComponentLink4Description=https://datasheet.ciiva.com/150/cx7r-150265.pdf?src-supplier=Digi-Key, ComponentLink4URL=https://datasheet.ciiva.com/150/cx7r-150265.pdf?src-supplier=Digi-Key, Contact Plating=Tin, Depth=1.25mm, Dissipation Factor=2.5%, Height=0.94mm, Lead Free="Lead Free", Length=2.01mm, Manufacturer Part Number=08055C102KAT2A, Mount="Surface Mount", Number of Pins=2, Packaging="Tape and Reel", Pricing 1="1=0.10000, 10=0.07300, 50=0.04000, 100=0.03270, 500=0.02334, 1000=0.01833 (USD)", Radiation Hardening=No, REACH SVHC="No SVHC", RoHS=Yes, RoHS Compliant=Yes, Stock 1=651619, Supplier 1=Digi-Key, Termination=SMD/SMT, Thickness=0.037inch, Voltage Rating=50V, Voltage Rating (DC)=50V, Width=1.25mm
C10: library part CMP-05428-001376-1, "Conductive Polymer Aluminum Solid Capacitors (OS-CON) 270uF ±20% 16V RADIAL SMT 8x6.9mm", Capacitance=270uF, Case/Package=Radial, ESR (Equivalent Series Resistance)=22mR, Leakage Current=864uA, Manufacturer=Panasonic, Max Operating Temperature=105°C, Min Operating Temperature=-55°C, Package Quantity=1000, Ripple Current=3.3A, Supplier Part Number 1=7955213, Tolerance=20%, Voltage=16V, Category="Aluminum Electrolytic Capacitors", ComponentLink1Description=https://datasheet.ciiva.com/26840/getdatasheetpartid-743670-26840731.pdf?src-supplier=Verical, ComponentLink1URL=https://datasheet.ciiva.com/26840/getdatasheetpartid-743670-26840731.pdf?src-supplier=Verical, ComponentLink2Description=https://datasheet.ciiva.com/22746/1734360-22746191.pdf?src-supplier=Element14, ComponentLink2URL=https://datasheet.ciiva.com/22746/1734360-22746191.pdf?src-supplier=Element14, Construction=Cylindrical, Diameter=8mm, Dissipation Factor=12%, Height=6.9mm, Height - Seated (Max)=0.276inch, Lead Free="Lead Free", Length=6.9mm, Life (Hours)=5000Hour, Manufacturer Part Number=16SVPF270M, Mount="Surface Mount", Number of Pins=7, Packaging="Tape and Reel", Polarity=Polar, Pricing 1="5=1.40600, 50=1.30800, 100=1.21000, 250=1.13800, 500=1.01200 (GBP)", Radiation Hardening=No, REACH SVHC="No SVHC", Ripple Current (AC)=3.3A, RoHS=Yes, RoHS Compliant=Yes, Series="OS-CON™, SVPF", Stock 1=20, Supplier 1=RSComponents, Termination=SMD/SMT, Voltage Rating=16V, Voltage Rating (DC)=16V
C12 C13 C14 C15 C19 C200 C201: library part CMP-2007-03243-2, "CAP CER 10UF 10V X5R 0805", 3DS Part Number=220-00001, Capacitance=10uF, Case Code (Imperial)=0805, Case Code (Metric)=2012, Dielectric=X5R, Dielectric Material=Ceramic, Manufacturer=Kemet, Manufacturer 1=KEMET, Max Operating Temperature=85°C, Min Operating Temperature=-55°C, Package=C0805C-DG, Package Quantity=1, Supplier Part Number 1=399-C0805C106K8PAC7800CT-ND, Temperature="-55°C to +85°C", Temperature Coefficient=15%, Temperature Range High=+85°C, Tolerance=10%, Voltage=10V, Automotive=No, Case/Package=0805, Category=Cap, ComponentLink2Description=Datasheet, ComponentLink2URL=https://content.kemet.com/datasheets/KEM_C1006_X5R_SMD.pdf, Construction=Flat, Contact Plating=Tin,Matte, Depth=1.25mm, Device Class L1="Passive Components", Device Class L2=Capacitors, Device Class L3="Ceramic Capacitors", Digikey Description="CAP CER 10UF 10V X5R 0805", Dissipation Factor=10%, Height=1.4mm, Ipc Land Pattern Name=CAPC200125X125, Lead Free=Yes, Length=2mm, Manufacturer Part Number=C0805C106K8PACTU, Manufacturer Part Number 1=C0805C106K8PACTU, Material=Ceramic, Mount="Surface Mount", Mouser Description="CAP CER 10UF 10V X5R 0805", Number of Pins=2, Octopart=https://octopart.com/c0805c106k8pactu-kemet-98697, Packaging="Tape and Reel", Pricing 1="1=0.14000, 10=0.10300, 50=0.05840, 100=0.04830, 500=0.03388, 1000=0.02805 (USD)", Radiation Hardening=No, REACH SVHC="No SVHC", RoHS=TRUE, RoHS Compliant=Yes, Series=C, Stock 1=8631846, Supplier 1=Digi-Key, Temperature Characteristic=X5R, Temperature Range Low=-55°C, Termination=SMD/SMT, Thickness=0.055inch, Voltage Rating=10V, Voltage Rating (DC)=10V, Width=1.2mm
C16: "CAP CER 0805 10NF 50V C0G 1%", Manufacturer=KEMET, Manufacturer Part Number=C0805C103F5GECAUTO7210, Package=None, Supplier Part Number 1=C0805C103F5GECAUTO7210-ND, Availability=Unavailable, Category="Ceramic Capacitors", ComponentLink1Description=https://api.kemet.com/component-edge/download/datasheet/C0805C103F5GECAUTO7210.pdf?src-supplier=Digi-Key, ComponentLink1URL=https://api.kemet.com/component-edge/download/datasheet/C0805C103F5GECAUTO7210.pdf?src-supplier=Digi-Key, MP=C0805C103F5GECAUTO, Price=None, RoHS=Yes, RoHS Compliant=Yes, Supplier 1=Digi-Key
C17: library part CMP-05428-000375-1, "Conductive Polymer Aluminum Solid Capacitors (OS-CON) 22uF ±20% 35V", Manufacturer=Panasonic, Category="Polymer Capacitors", ComponentLink1Description=http://www.farnell.com/datasheets/2283842.pdf?src-supplier=Farnell, ComponentLink1URL=http://www.farnell.com/datasheets/2283842.pdf?src-supplier=Farnell, ComponentLink2Description=https://na.industrial.panasonic.com/file-download/4311?src-supplier=Digi-Key, ComponentLink2URL=https://na.industrial.panasonic.com/file-download/4311?src-supplier=Digi-Key, Manufacturer Part Number=35SVF22M, Pricing 1="1=0.96030, 10=0.87800, 25=0.85400, 100=0.76830, 250=0.76450, 500=0.65580, 1000=0.60660 (USD)", RoHS=Yes, RoHS Compliant=Yes, Stock 1=1750, Supplier 1="Arrow Electronics", Supplier Part Number 1=35SVF22M
C18: library part CMP-05428-000021-2, "Conductive Polymer Aluminum Solid Capacitors (OS-CON) 120uF ±20% 16V RADIAL SMT 8x6.9mm", Capacitance=120uF, Case/Package=Radial, ESR (Equivalent Series Resistance)=27mR, Leakage Current=500uA, Manufacturer=Panasonic, Max Operating Temperature=105°C, Min Operating Temperature=-55°C, Package Quantity=1000, Ripple Current=2.9A, Supplier Part Number 1=7887618, Tolerance=20%, Voltage=16V, Category="Aluminum Electrolytic Capacitors", ComponentLink1Description=https://datasheet.ciiva.com/22746/1734358-22746176.pdf?src-supplier=Element14, ComponentLink1URL=https://datasheet.ciiva.com/22746/1734358-22746176.pdf?src-supplier=Element14, ComponentLink2Description=https://datasheet.ciiva.com/48542/svpc-eng-ds-48542359.pdf?src-supplier=Distrelec, ComponentLink2URL=https://datasheet.ciiva.com/48542/svpc-eng-ds-48542359.pdf?src-supplier=Distrelec, ComponentLink3Description=https://datasheet.ciiva.com/25740/1734358-25740810.pdf?src-supplier=Farnell, ComponentLink3URL=https://datasheet.ciiva.com/25740/1734358-25740810.pdf?src-supplier=Farnell, Construction=Cylindrical, Diameter=8mm, Dissipation Factor=12%, Height=6.9mm, Height - Seated (Max)=0.276inch, Lead Free="Lead Free", Length=6.9mm, Life (Hours)=2000Hour, Manufacturer Part Number=16SVPC120M, Mount="Surface Mount", Number of Pins=7, Packaging="Tape and Reel", Polarity=Polar, Pricing 1="2=1.66000, 10=1.54400, 20=1.42700, 50=1.19300, 100=1.02700 (USD)", REACH SVHC="No SVHC", Reach SVHC Compliant=No, Ripple Current (AC)=2.9A, RoHS=Yes, RoHS Compliant=Yes, Series="OS-CON, SVPC", Stock 1=1, Supplier 1=RSComponents, Termination=SMD/SMT, Voltage Rating=16V, Voltage Rating (DC)=16V
C202 C203: library part CMP-2007-00279-2, "CAP CER 0.1UF 50V X7R 0805", Capacitance="0.10 μF", Case Code (Imperial)=0805, Case Code (Metric)=2012, Dielectric=X7R, Dielectric Material=Ceramic, Manufacturer=KEMET, Max Operating Temperature=125°C, Min Operating Temperature=-55°C, Package=C0805C-DN, Package Quantity=4000, Supplier Part Number 1=399-C0805C104K5RAC7800CT-ND, Temperature="-55°C to +125°C", Temperature Coefficient=30ppm/°C, Temperature Range High=+125°C, Tolerance=0.1, Voltage=500V, Voltage Rating="50 V", Voltage Rating (DC)=50V, Automotive=No, Case/Package=0805, Category=Cap, ComponentLink2Description=Datasheet, ComponentLink2URL=https://content.kemet.com/datasheets/KEM_C1003_C0G_SMD.pdf, Construction=Flat, Contact Plating=Tin,Matte, Depth=1.25mm, Device Class L1="Passive Components", Device Class L2=Capacitors, Device Class L3="Ceramic Capacitors", Digikey Description="CAP CER 0.1UF 50V X7R 0805", Height=0.88mm, Ipc Land Pattern Name=CAPC200125X78, Lead Free=Yes, Lead Pitch=0.75mm, Length=2mm, Manufacturer 1=KEMET, Manufacturer Part Number=C0805C104K5RACTU, Manufacturer Part Number 1=C0805C104K5RACTU, Material=Ceramic, Mount="Surface Mount,PCB", Mouser Description="Cap Ceramic 0.1uF 50V X7R 10% SMD 2.0 x 1.2 mm 125 C Paper T/R", Number of Pins=2, Octopart=https://octopart.com/c0805c104k5ractu-kemet-143926, Packaging="Tape and Reel", Pricing 1="1=0.14000, 10=0.09700, 50=0.05480, 100=0.04540, 500=0.03182, 1000=0.02634 (USD)", Radiation Hardening=No, REACH SVHC="No SVHC", RoHS=TRUE, RoHS Compliant=Yes, Series=C0805C, Stock 1=2903712, Supplier 1=Digi-Key, Temperature Characteristic=X7R, Temperature Range Low=-55°C, Termination=SMD/SMT, Thickness=0.035inch, Width=1.2mm